# KiCad board raw.kicad_pcb (continued)
## Routing (per net, layer and track width the routed paths; a pad name or vN(x,y) marks a point on that pad's centre or on a via; arc(x,y) is an arc through that point) (continued)
  Bottom w0.203: v1(35.69,61.59) 35.7,61.61 v1(37.58,61.61)
  Bottom w0.508: v1(35.69,61.59) 37.59,61.59
/CONNECTOR/HOST_IRQ_DRIVE: length 1.6
  Top w0.203: R24.2 U7.4
/CONNECTOR/HOST_IRQ_LED: length 2.1
  Top w0.203: R24.1 55.88,2.33 D1.2
/CONNECTOR/PDATA0: length 53.3
  Top w0.152: v2(42.58,11.52) 42.58,11.54 41.87,12.25 J2.9 ; v1(10.89,26.9) 10.89,26.72 11.37,26.24 RP1.16
  Bottom w0.152: 10.94,26.98 10.94,27.4 11.79,28.25 40.3,28.25 45.73,22.82 45.73,14.67 v2(42.58,11.52)
/CONNECTOR/PDATA1: length 38
  Top w0.152: v1(11.74,27.24) 11.87,27.11 RP1.15 ; J2.1 33.98,10.25 19.48,24.75 19.28,24.75 19.28,24.75 v1(18.55,24.75)
  Bottom w0.152: 11.74,27.18 11.74,26.83 13.78,24.79 18.55,24.79 v1(18.55,24.75) ; 11.93,27.01 11.74,27.2 v1(11.74,27.24)
/CONNECTOR/PDATA2: length 49.6
  Top w0.152: RP1.14 12.37,26.55 v1(12.73,26.91) ; J2.11 42.27,12.75 v2(42.57,12.45)
  Bottom w0.152: v2(42.57,12.45) 45.4,15.28 45.4,22.69 40.15,27.94 13.24,27.94 12.73,27.43 v1(12.73,26.91)
/CONNECTOR/PDATA3: length 34.7
  Top w0.152: J2.3 33.91,10.75 19.32,25.35 13.26,25.35 12.87,25.74 RP1.13
/CONNECTOR/PDATA4: length 47
  Top w0.152: v2(42.29,13.41) 42.13,13.25 J2.13 ; RP1.12 13.37,26.92 v1(13.61,27.16)
  Bottom w0.152: 13.44,26.97 14.11,27.64 39.98,27.64 45.04,22.58 45.04,16.17 v2(42.29,13.41) ; 42.27,13.41 42.52,13.41
/CONNECTOR/PDATA5: length 33.5
  Top w0.152: RP1.11 13.87,25.74 13.95,25.65 19.44,25.65 33.85,11.25 J2.5
/CONNECTOR/PDATA6: length 44
  Top w0.152: RP1.10 14.37,26.77 v1(14.46,26.86) ; J2.15 41.73,13.75 42.25,14.27 v2(42.25,14.33)
  Bottom w0.152: 14.31,26.96 14.72,26.96 14.92,27.16 40.03,27.16 44.74,22.45 44.74,16.65 42.47,14.38 42.27,14.38 42.27,14.34 v2(42.25,14.33)
/CONNECTOR/PDATA7: length 32.2
  Top w0.152: RP1.9 15.17,26.14 15.35,25.97 19.56,25.97 33.78,11.75 J2.7
  Top w0.203: 40.93,11.81 J2.7
/CONNECTOR/PDATA8: length 37.3
  Top w0.152: RP2.16 22.26,21.54 37.83,5.97 44.38,5.97 48.21,9.8 48.21,10.58 48.04,10.75 J2.4
/CONNECTOR/PDATA9: length 38.4
  Top w0.152: J2.6 48.08,11.25 48.51,10.82 48.51,9.67 44.51,5.66 37.71,5.66 22.33,21.04 RP2.15
/CONNECTOR/PDATA10: length 39.6
  Top w0.152: J2.8 48.09,11.75 48.82,11.02 48.82,9.55 44.63,5.36 37.58,5.36 22.24,20.7 21.39,20.7 21.23,20.54 RP2.14
/CONNECTOR/PDATA11: length 35.9
  Top w0.152: J2.21 42.12,15.25 v2(42.14,15.28) ; v1(21.78,20.06) 21.76,20.04 RP2.13
  Bottom w0.152: 21.83,19.87 21.83,19.88 21.81,19.9 ; v2(42.14,15.28) 44.43,17.57 44.43,22.32 41.98,24.77 31.07,24.77 26.36,20.06 21.89,20.06 21.72,19.88
/CONNECTOR/PDATA12: length 40.3
  Top w0.152: J2.10 48.1,12.25 49.12,11.23 49.12,9.42 44.76,5.05 37.16,5.05 22.79,19.42 21.43,19.42 21.28,19.57 20.86,19.57 RP2.12
/CONNECTOR/PDATA13: length 34.8
  Top w0.152: RP2.11 22.1,19.04 v1(22.32,18.82) ; J2.25 42.12,16.25 v2(42.13,16.25)
  Bottom w0.152: 42.03,16.24 43.77,17.98 43.78,17.98 44.13,18.33 44.13,22.2 41.86,24.47 31.2,24.47 25.32,18.59 22.55,18.59 v1(22.32,18.82)
/CONNECTOR/PDATA14: length 41.1
  Top w0.152: RP2.10 21.61,18.54 22.08,18.07 23.71,18.07 37.03,4.75 44.88,4.75 49.43,9.29 49.43,11.38 48.06,12.75 J2.12
/CONNECTOR/PDATA15: length 33.3
  Top w0.152: v2(42.15,17.28) 42.12,17.25 J2.29 ; v1(21.52,17.78) 21.26,18.04 RP2.9
  Bottom w0.152: v2(42.15,17.28) 43.83,18.96 43.83,22.07 41.73,24.16 31.37,24.16 25.16,17.96 21.7,17.96 v1(21.52,17.78)
/CONNECTOR/PDATA16: length 41.2
  Top w0.152: RP3.16 22.25,16.06 22.46,16.27 25.08,16.27 36.9,4.44 45.01,4.44 49.73,9.17 49.73,11.76 48.19,13.31 47.65,13.31
/CONNECTOR/PDATA17: length 33.3
  Top w0.152: J2.33 42.12,18.25 v2(42.13,18.24) ; RP3.15 22.88,15.56 v1(22.99,15.67)
  Bottom w0.152: 42.06,18.19 43.52,19.65 43.52,21.94 41.6,23.86 31.5,23.86 23.3,15.66 22.1,15.66
/CONNECTOR/PDATA18: length 42.3
  Top w0.152: J2.16 48.18,13.75 50.04,11.89 50.04,9.04 45.14,4.14 36.78,4.14 26.15,14.77 22.68,14.77 22.3,15.15 21.32,15.15 21.23,15.06 RP3.14
/CONNECTOR/PDATA19: length 30.7
  Top w0.152: v1(21.84,14.56) 21.83,14.56 RP3.13 ; J2.37 42.12,19.25 v2(42.13,19.26)
  Bottom w0.152: 42.05,19.29 43.22,20.46 43.22,21.82 41.48,23.55 31.74,23.55 22.8,14.62 22.11,14.62
/CONNECTOR/PDATA20: length 43.3
  Top w0.152: J2.18 48.11,14.25 50.34,12.01 50.34,8.91 45.26,3.83 36.65,3.83 26.21,14.27 22.64,14.27 22.33,13.96 21.39,13.96 21.29,14.06 RP3.12
/CONNECTOR/PDATA21: length 29.7
  Top w0.152: RP3.11 23.17,13.56 v1(23.27,13.66) ; J2.41 42.12,20.25 v2(42.13,20.25)
  Bottom w0.152: 42.05,20.27 42.91,21.12 42.91,21.69 41.35,23.25 32.86,23.25 v1(23.27,13.66)
/CONNECTOR/PDATA22: length 43.9
  Top w0.152: RP3.10 26.99,13.06 36.53,3.53 45.39,3.53 50.65,8.79 50.65,12.14 48.04,14.75 J2.20
/CONNECTOR/PDATA23: length 27.1
  Top w0.152: v2(42.12,21.25) 42.12,21.25 J2.45 42,21.25 42,21.25 ; v1(21.83,12.46) 21.73,12.56 RP3.9
  Bottom w0.152: 22.3,12.51 27.96,12.51 36.7,21.25 42,21.25 ; 22.3,12.51 21.88,12.51 v1(21.83,12.46) ; 22.3,12.51 22.16,12.51
/CONNECTOR/PROJ_ON_DRIVE: length 1.6
  Top w0.203: R26.2 U9.4
/CONNECTOR/PROJ_ON_LED: length 2.1
  Top w0.203: D3.2 55.88,12.49 R26.1
/CONNECTOR/RESETZ: length 24.7
  Top w0.152: U8.2 50.94,7.62 v1(50.9,7.58) ; v1(42.93,10.56) 43.53,11.16 43.53,21.59 41.87,23.25 J2.53
  Bottom w0.152: 50.95,7.57 45.87,7.57 42.93,10.51 v1(42.93,10.56)
/CONNECTOR/RESETZ_DRIVE: length 1.6
  Top w0.152: R25.2 U8.4
/CONNECTOR/RESETZ_LED: length 2.1
  Top w0.203: D2.2 55.88,7.41 R25.1
/HDMI_INPUT/ADV_CVDD: length 21.3
  Top w0.152: U5.14 v2(14.86,12.54) 14.25,13.15 9.39,13.15 v2(8.86,12.62) 8.86,12.61 U5.2
  Bottom w0.152: C23.1 v2(14.86,12.54) ; v2(14.86,12.54) 14.86,12.54 14.86,10.58 ; v2(14.86,12.54) 14.86,12.64 ; FB3.2 10.43,6.15 9.68,6.91 9.68,9.68 8.86,10.5 C15.1 ; 8.86,12.62 v2(8.86,12.62) 8.86,10.51 ; 8.86,12.62 C21.1 ; 8.86,12.62 8.86,12.52 ; 14.86,10.5 C18.1
/HDMI_INPUT/ADV_DVDD: length 48.5
  Top w0.152: U5.24 16.82,17.03 v1(16.75,16.95) ; 5.5,15.51 6.39,15.51 U5.60 ; U5.40 v1(12.36,21.98) ; U5.52 5.49,19.53 v2(5.38,19.64)
  In2.Cu w0.254: 5.5,15.51 4.75,16.26 4.75,18.43 5.51,19.2 5.51,19.61 8.46,22.55 11.79,22.55 v1(12.36,21.98) 12.93,22.55 16.61,22.55 17.45,21.72 17.45,17.66 v1(16.75,16.95)
  Bottom w0.152: C25.1 5.49,15.53 v2(5.38,15.42) 5.25,15.54 4.31,15.54 C16.1 ; 19.59,16.78 18.56,16.78 ; 15.92,16.78 15.93,16.78 16.57,16.78 v1(16.75,16.95) 16.92,16.78 C24.1 ; 12.36,22.05 12.36,21.95 ; 12.36,22.05 C22.1 ; 12.36,22.05 12.36,21.13 C27.1 ; C19.1 4.32,19.51 5.25,19.51 v2(5.38,19.64) ; 5.38,15.53 5.34,15.53 ; 5.46,19.61 5.51,19.61 5.59,19.53 C26.1 5.38,19.53 5.46,19.61
  Bottom w0.508: 5.51,19.61 4.5,20.62 FB4.2
/HDMI_INPUT/ADV_DVDDIO: length 32.5
  Top w0.152: U5.44 v1(10.36,21.91) ; U5.34 v1(15.36,21.91) ; v1(16.69,15.59) 17.08,15.98 17.08,16.34 17.27,16.53 U5.23
  In2.Cu w0.254: v1(16.69,15.59) 16.05,16.22 16.05,21.29 15.36,21.98 13.93,21.98 13.27,21.32 11.02,21.32 10.36,21.98
  Bottom w0.152: C5.1 16.68,15.58 v1(16.69,15.59) 16.8,15.48 C11.1 ; FB1.2 21.09,24.07 15.51,24.07 C1.1 C7.1 ; 10.36,24.41 C9.1 ; 10.38,24.39 10.36,24.41
/HDMI_INPUT/ADV_PVDD: length 12.7
  Top w0.152: U5.57 5.55,17.03 v2(5.44,17.14)
  Bottom w0.152: C20.1 5.39,17.03 ; C17.1 4.31,17.02 5.31,17.02 v2(5.44,17.14)
  Bottom w0.508: 5.5,17.05 4.63,17.92 2.93,17.92 1.98,18.87 FB5.2
/HDMI_INPUT/ADV_TVDD: length 21.8
  Top w0.152: U5.11 v2(13.36,12.53) ; v2(11.87,12.54) 11.86,12.53 U5.8 ; U5.5 v2(10.36,12.54)
  Bottom w0.152: 12.64,7.06 12.64,7.18 ; 12.64,7.18 12.64,4.49 12.71,4.42 ; 12.64,7.18 12.64,9.78 ; C2.1 C4.1 11.87,10.5 12.59,9.78 12.64,9.78 ; 12.64,9.78 13.36,10.5 C6.1 ; 10.36,10.49 10.36,12.45 10.36,12.46 ; C12.1 v2(13.36,12.53) 13.36,12.34 13.38,12.33 13.38,10.53 ; 10.36,12.46 v2(10.36,12.54) ; 10.36,12.46 C8.1 ; v2(11.87,12.54) C10.1 11.87,10.53 11.86,10.53
/HDMI_INPUT/ADV_VDD1V8: length 72.9
  Top w0.381: U4.1 16.89,55.05 v1(16.88,55.06)
  In2.Cu w0.381: v2(8.6,2.81) 8.62,2.79
  In2.Cu w0.508: v1(3.33,26.16) 16.89,39.72 16.89,54.99 ; v2(8.6,2.81) 3.42,2.81 1.02,5.21 1.02,23.88 3.3,26.16
  Bottom w0.381: 4.5,24.68 4.5,24.71 ; 1.96,24.58 1.96,24.6
  Bottom w0.508: FB3.1 8.65,2.86 v2(8.6,2.81) ; FB5.1 1.98,24.81 v1(3.33,26.16) 4.5,24.99 FB4.1
/HDMI_INPUT/ADV_VDD3V3: length 31.4
  In2.Cu w0.508: 24.47,22.93 24.47,11.29 16.08,2.9 v2(14.12,2.9)
  Bottom w0.508: R1.1 22.65,24.13 FB1.1 ; v2(14.12,2.9) 12.64,2.9 FB2.1 ; FB1.1 22.9,24.12 ; FB1.1 22.66,24.12 23.85,22.93 24.47,22.93 v1(24.49,22.91)
/HDMI_INPUT/B0: length 2.1
  Top w0.152: RP1.1 11.37,24.17 10.86,23.66 U5.43
/HDMI_INPUT/B1: length 2.1
  Top w0.152: U5.42 11.36,23.7 11.87,24.21 RP1.2
/HDMI_INPUT/B2: length 2.1
  Top w0.152: U5.41 11.86,23.65 12.37,24.15 RP1.3
/HDMI_INPUT/B3: length 1.9
  Top w0.152: RP1.4 12.87,22.99 U5.39
/HDMI_INPUT/B4: length 1.9
  Top w0.152: U5.38 13.37,22.99 RP1.5
/HDMI_INPUT/B5: length 1.9
  Top w0.152: U5.37 13.86,24.83 RP1.6
/HDMI_INPUT/B6: length 1.9
  Top w0.152: U5.36 14.37,22.99 RP1.7
/HDMI_INPUT/B7: length 1.9
  Top w0.152: U5.35 14.86,24.83 RP1.8
/HDMI_INPUT/G0: length 4.5
  Top w0.152: U5.33 15.86,22.61 16.93,21.54 RP2.1
/HDMI_INPUT/G1: length 1.7
  Top w0.152: RP2.2 17.82,21.04 U5.32
/HDMI_INPUT/G2: length 1.7
  Top w0.152: U5.31 19.52,20.53 RP2.3
/HDMI_INPUT/G3: length 1.7
  Top w0.152: RP2.4 17.82,20.04 U5.30
/HDMI_INPUT/G4: length 1.7
  Top w0.152: RP2.5 19.52,19.53 U5.29
/HDMI_INPUT/G5: length 1.7
  Top w0.152: U5.28 18.06,19.03 18.07,19.04 RP2.6
/HDMI_INPUT/G6: length 1.7
  Top w0.152: U5.27 19.52,18.53 RP2.7
/HDMI_INPUT/G7: length 1.7
  Top w0.152: U5.26 17.82,18.04 RP2.8
/HDMI_INPUT/HDMI_CEC: length 12.9
  Top w0.152: 6.41,15.03 U5.61 7.27,15.03 v2(7.87,14.43) ; J1.13 8.62,5.43 8.54,5.35
  Bottom w0.152: v2(7.87,14.43) 7.87,13.89 8.08,13.68 8.08,5.88 v2(8.57,5.39)
/HDMI_INPUT/HDMI_CLK_N: length 4.8
  Top w0.152: J1.12 9.12,8.17 9.43,8.48 9.43,9.97 9.36,10.04 ; U5.3 9.36,11.58 U2.5 U2.6
/HDMI_INPUT/HDMI_CLK_P: length 4.7
  Top w0.152: J1.10 10.15,7.19 10.15,8.09 9.77,8.47 9.77,9.46 9.88,9.57 9.88,9.75 U2.7 ; U2.7 9.87,9.76 ; U2.7 U2.4 9.86,11.58 U5.4
/HDMI_INPUT/HDMI_HPA: length 4.5
  Top w0.152: v1(5.33,5.43) 5.58,5.68 5.58,7.12 J1.19
  Bottom w0.152: R10.1 5.2,5.54 5.33,5.41 v1(5.33,5.43) 4.86,4.95 R5.2
/HDMI_INPUT/HDMI_PWR: length 3.9
  Top w0.152: R2.1 6.06,13.18 U5.64
/HDMI_INPUT/HDMI_PWR_5V: length 1.8
  Top w0.152: R2.2 6.12,8.86 J1.18
/HDMI_INPUT/HDMI_RX0_N: length 6.4
  Top w0.152: U2.9 U2.2 10.86,11.58 U5.6 10.87,11.57 10.87,9.58 10.97,9.48 10.97,8.49 10.62,8.14 J1.9
/HDMI_INPUT/HDMI_RX0_P: length 6.5
  Top w0.152: 11.36,9.64 U2.10 U2.1 11.36,11.58 U5.7 11.3,11.52 11.3,8.49 11.62,8.17 J1.7
/HDMI_INPUT/HDMI_RX1_N: length 7.1
  Top w0.152: J1.6 12.13,7.17 12.13,8.17 12.43,8.47 12.43,11.51 U5.9 U1.6 U1.5
/HDMI_INPUT/HDMI_RX1_P: length 5.6
  Top w0.152: U1.7 U1.4 U5.10 ; U1.7 12.81,9.74 ; U1.7 12.87,9.78 12.87,9.52 12.77,9.42 12.77,8.47 13.12,8.12 J1.4 13.12,8.05 ; 12.82,10.45 12.86,10.49
/HDMI_INPUT/HDMI_RX2_N: length 4.8
  Top w0.152: U1.9 U1.2 U5.12 ; U1.9 13.86,9.57 13.98,9.45 13.98,8.49 13.62,8.14 J1.3 ; U1.9 13.85,9.78 13.85,9.64
/HDMI_INPUT/HDMI_RX2_P: length 5.3
  Top w0.152: U1.10 14.36,9.66 14.31,9.61 14.31,8.49 14.62,8.18 J1.1 ; U1.10 U1.1 ; U1.10 U5.13
/HDMI_INPUT/HDMI_SCL: length 6.9
  Top w0.152: J1.15 7.58,7.12 v1(7.58,5.43)
  Bottom w0.152: R3.2 7.58,4.26 v1(7.58,5.43) 7.58,8.51 7.35,8.75 R9.2
/HDMI_INPUT/HDMI_SDA: length 7.8
  Top w0.152: J1.16 7.12,5.97 v1(6.58,5.43)
  Bottom w0.152: R4.2 6.25,5.09 v1(6.58,5.43) 7.09,5.94 7.09,7.43 5.84,8.68 R8.2
/HDMI_INPUT/R0: length 1.7
  Top w0.152: RP3.1 17.84,16.06 U5.22
/HDMI_INPUT/R1: length 1.7
  Top w0.152: RP3.2 19.5,15.53 U5.21
/HDMI_INPUT/R2: length 1.7
  Top w0.152: RP3.3 17.84,15.06 U5.20
/HDMI_INPUT/R3: length 1.7
  Top w0.152: U5.19 19.5,14.53 RP3.4
/HDMI_INPUT/R4: length 1.7
  Top w0.152: U5.18 17.84,14.06 RP3.5
/HDMI_INPUT/R5: length 1.7
  Top w0.152: RP3.6 19.5,13.53 U5.17
/HDMI_INPUT/R6: length 4.3
  Top w0.152: RP3.7 17.84,13.06 16.36,11.58 U5.16
/HDMI_INPUT/R7: length 5.6
  Top w0.152: U5.15 15.36,10.93 15.52,10.77 16.1,10.77 17.9,12.56 RP3.8
/MSP430/DEBUG1: length 32.9
  Top w0.152: U6.15 34.54,39.99 42.58,31.96 42.58,31.33 51.07,22.85 51.07,18.05 51.33,17.78 U12.2
/MSP430/DEBUG1_DRIVE: length 1.6
  Top w0.203: U12.4 R31.2
/MSP430/DEBUG1_LED: length 2.1
  Top w0.203: R31.1 55.88,17.57 D5.2
/MSP430/DEBUG2: length 28.4
  Top w0.152: 51.73,22.86 U13.2 51.8,22.85 51.56,22.85 42.89,31.52 42.89,32.36 34.75,40.49 U6.16
/MSP430/DEBUG2_DRIVE: length 1.6
  Top w0.203: U13.4 R34.2
/MSP430/DEBUG2_LED: length 2.1
  Top w0.203: D6.2 55.88,22.65 R34.1
/MSP430/MSP_VDD3V3: length 70.2
  Top w0.152: 24.55,47.19 R23.1 24.55,47.54 24.91,47.9 26.73,47.9 27.04,47.59 R21.1 27.08,47.1 R22.1 26.47,45.72 v1(26.23,45.96) ; v1(42.68,47.61) 42.73,47.56 R12.1 ; R17.1 33.06,46.43 32.96,46.33 R19.1 32.61,45.73 v1(32.78,45.56) ; C31.1 C30.1 23.66,37.85 v1(24.36,37.16) 21.41,37.16 20.57,36.32 R15.1 R16.1 ; C29.1 32.98,38.82 32.76,38.6 32.76,38.59 v1(32.53,38.36) ; R20.1 R18.1 ; R20.1 30.63,34.26 v1(31.43,33.46) ; R20.1 30.73,34.3
  Top w0.203: C30.1 24.19,38.49 U6.39 ; C31.1 23.79,38.99 U6.38 ; U6.14 31.33,39.5 C29.1
  Top w0.381: 35.06,43.08 R11.1 33.75,43.13 v1(33.73,43.11)
  In2.Cu w0.152: 27.57,44.96 26.88,44.96 26.26,45.58 26.26,45.97 ; 32.37,44.69 32.37,44.83 32.77,45.22 32.77,45.62 ; 32.51,38.43 32.48,38.4 32.48,38.32 32.49,38.33 32.45,38.29
  In2.Cu w0.381: v1(24.36,37.16) 24.36,43.26 26.06,44.96 32.11,44.96 33.73,43.33 33.73,39.57 32.48,38.32 ; 32.45,38.29 32.45,34.53 31.45,33.53
  Bottom w0.152: 42.64,47.58 38.14,43.08 33.73,43.08
/MSP430/PB_DOWN: length 9.3
  Top w0.152: P3.2 29.62,48.77 31.8,46.58 31.8,42.07 31.73,41.99 U6.19
/MSP430/PB_LEFT: length 12.4
  Top w0.152: U6.20 31.32,45.54 27.08,49.78 P3.3 27.43,49.58 27.43,49.43 27.94,48.92 R21.2
/MSP430/PB_RIGHT: length 9.9
  Top w0.152: U6.21 30.57,43.65 28.5,45.72 R22.2 27.98,45.93 27.48,46.43 27.48,47.6 26.39,48.69 25.63,48.69 24.54,49.78 P3.4
/MSP430/PB_SELECT: length 15.6
  Top w0.152: P3.5 22,48.59 24.15,46.44 ; 24.15,46.44 25.97,44.62 29.01,44.62 30.07,43.56 U6.22 ; 24.15,46.44 25.45,45.14 R23.2
/MSP430/PB_UP: length 11.2
  Top w0.152: U6.18 31.73,41.49 32.16,41.92 P3.1 32.16,49.93 R17.2
/MSP430/POWER_ON: length 24.3
  Top w0.152: C32.1 44.25,43.19 45.34,42.1 45.34,38.04 SW1.2 39.93,40.99 U6.17
/MSP430/TCK: length 19.3
  Top w0.152: U6.33 7.23,41.49 P1.7
/MSP430/TDI: length 20.3
  Top w0.152: P1.3 7.25,38.11 11.11,38.11 13.49,40.49 U6.35
/MSP430/TDO: length 21.1
  Top w0.152: U6.36 13.42,39.99 8.14,34.71 P1.1
/MSP430/TEST: length 31.8
  Top w0.152: U6.37 24.92,39.49 24.82,39.59 18.92,39.59 12.94,33.62 5.34,33.62 4.94,34.02 4.94,41.24 P1.8
/MSP430/TMS: length 19.4
  Top w0.152: U6.34 7.6,40.99 P1.5
ADV_1V8_EN: length 13.4
  Top w0.152: U4.4 20.91,50.55 20.9,50.54 20.9,49.33 20.91,49.32 20.91,49.14 25.74,44.31 26.91,44.31 27.57,43.65 U6.27
DATEN_CMD: length 41.7
  Top w0.152: U5.45 9.88,23 9.88,23.5 9.26,24.12 9.26,26.33 10.86,27.94 18.02,27.94 31.71,14.25 J2.17
HDMI_INT1: length 37
  Top w0.152: v1(14.2,30.17) 11.8,30.17 7.45,25.82 7.45,23.79 7.7,23.54 7.7,18.67 7.06,18.03 U5.55 ; U6.7 29.07,35.17 v1(29.38,34.86)
  Bottom w0.152: 29.39,34.84 24.73,30.18 14.2,30.18
HOST_IRQ: length 50
  Top w0.152: J2.35 39.89,18.75 v1(39.86,18.78) 37.86,18.78 35.41,21.23 35.41,33.73 33.07,36.07 33.27,36.07 ; U6.9 30.07,36.37 30.23,36.21 30.13,36.21 v1(30.08,36.26) ; v1(50.62,2.62) 50.7,2.54 U7.2
  Bottom w0.152: 50.67,2.58 50.3,2.95 ; 50.3,2.95 49.69,2.95 39.78,12.86 39.78,18.75 ; 50.3,2.95 50.3,2.94 v1(50.62,2.62) ; v1(33.16,36.05) 32.95,36.26 v1(30.08,36.26) ; 30.37,36.07 30.23,36.21
HSYNC_CS: length 42.1
  Top w0.152: 40.12,16.75 J2.27 29.64,16.75 18.14,28.24 10.73,28.24 8.95,26.46 8.95,24 9.36,23.59 U5.46
MSP_I2C_SCL: length 44.2
  Top w0.152: U6.11 31.32,35.9 32.03,35.2 ; 32.03,35.2 32.03,35.05 ; 32.03,35.2 R18.2 32.23,35.2 32.79,34.64 32.79,33.43 30.33,30.96 11.13,30.96 4.67,24.51 4.67,19.41 5.05,19.03 U5.53
MSP_I2C_SDA: length 41.2
  Top w0.152: U6.10 30.57,37.14 30.88,36.84 30.88,35.79 30.63,35.55 R20.2 30.63,35.15 26.9,31.42 11,31.42 3.99,24.41 3.99,19.38 4.83,18.54 5.75,18.54 5.76,18.53 U5.54
PCLK: length 28.8
  Top w0.152: J2.19 31.94,14.75 30.7,16 ; v1(18.9,17.45) 18.81,17.53 U5.25 17.88,17.47
  Bottom w0.152: v1(30.7,16.15) 30.4,15.86 30.34,15.86 27.54,13.06 21.17,13.06 20.12,14.11 20.12,17.21 19.87,17.47 18.9,17.47
PROJ_ON: length 36.7
  Top w0.152: v1(49.56,18.66) 49.49,18.66 49.49,14.44 51.26,12.67 51.79,12.67 U9.2 ; 48.3,18.73 48.28,18.75 J2.36 46.29,18.75 44.77,20.27 44.77,23.1 43.53,24.34 43.53,26.52 33.22,36.83 33.22,36.83 31.55,38.49 U6.12
  Bottom w0.152: v1(49.56,18.66) 48.37,18.66 v1(48.29,18.74)
RESET: length 29.3
  Top w0.152: U6.5 28.07,36.84 27.3,36.07 v1(26.01,36.07) 24.99,36.07 24.43,35.51 R14.2
  Bottom w0.152: P1.11 17.73,36.07 v1(26.01,36.07)
RESET_ADV7611: length 37.9
  Top w0.152: 28.57,37.46 28.57,35.44 v1(28.19,35.05) 28.04,35.2 R7.2 ; U5.56 7.06,17.53 8.01,18.48 8.01,23.66 7.76,23.91 7.76,25.7 11.47,29.41 v1(12.6,29.41)
  Bottom w0.152: v1(28.19,35.05) 18.24,35.05 v1(12.6,29.41)
SPI0_CLK: length 28.7
  Top w0.152: 40.08,1.59 P2.4 40.08,1.89 41.41,3.23 45.52,3.23 50.95,8.66 50.95,12.38 48.96,14.38 48.96,20.33 48.04,21.25 J2.46
SPI0_CSZ0: length 25.6
  Top w0.152: 39.45,22.75 39.37,22.75 39.36,22.74 39.25,22.74 v1(37.08,20.57) ; 39.45,22.75 J2.51 ; 39.45,22.75 39.44,22.74
  Bottom w0.152: v1(37.08,20.57) 32.51,16 32.51,1.79 P2.1
SPI0_MISO: length 22
  Top w0.152: J2.47 40.12,21.75 40.12,21.58 v1(39.12,20.57)
  Bottom w0.152: P2.3 37.54,18.74 39.12,20.32 v1(39.12,20.57)
SPI0_MOSI: length 24
  Top w0.152: v1(38.1,20.57) 38.1,21.08 39.27,22.25 J2.49
  Bottom w0.152: v1(38.1,20.57) 38.1,20.32 35,17.22 P2.2
SYSPWR: length 108.4
  Top w0.152: 48.79,24.3 v2(48.78,24.28) ; J3.1 46.76,50.92
  Top w0.203: v1(38.88,25.56) 38.88,25.11 39.65,24.34 ; 39.65,24.28 39.68,24.31 39.68,24.31 40.12,24.75 J2.59 ; 39.65,24.28 39.67,24.26 40.98,24.26 J2.57 ; 39.65,24.28 39.73,24.2 39.73,24.16 40.13,23.76 40.98,23.76 J2.55 ; J2.58 47.21,24.3 48.79,24.3 ; 48.79,24.3 48.25,23.75 47.57,23.75 47.57,23.75 J2.56 ; 48.79,24.3 48.51,24.57 48.51,24.59 48.35,24.75 J2.60 ; R28.2 47.03,57.23 45.94,56.14 C37.1 ; v1(34.28,59.66) 34.57,59.95 U11.2
  Top w0.254: 28.56,59.3 C38.1 ; 24,59.69 24.26,59.95 U10.2
  Top w0.508: C38.1 27.52,58.95 U10.4 U10.5 ; U11.4 U11.5
  Top w0.762: R27.1 42.43,58.67 ; R27.1 42.6,59.91 39.81,62.71 32.78,62.71 v1(30.18,60.11) 29.02,58.95 C38.1 29.04,58.95 ; R27.1 44.58,56.52 C37.1 44.65,56.07 C36.1 48.82,49.39 J3.1 ; 42.43,58.67 37.95,58.67 U11.4 ; 42.43,58.67 39.35,58.67 C39.1
  In2.Cu w0.762: v1(38.88,25.56) 40.16,24.28 v2(48.78,24.28) ; 48.79,24.3 48.82,24.32 J3.1
  Bottom w0.203: v1(37.83,58.76) 36.68,59.91 36.68,59.94
  Bottom w0.254: 30.19,60.11 24.38,60.11 v1(23.98,59.71) ; 34.29,59.69 34.54,59.94 36.68,59.94
VSYNC_WE: length 58.2
  Top w0.152: 47.14,10.22 J2.2 46.18,10.25 v1(46.09,10.16) ; v1(8.35,24.2) 8.35,24.14 8.86,23.63 U5.47
  Bottom w0.152: v1(8.35,24.2) 8.35,25.98 10.92,28.55 40.44,28.55 46.09,22.91 46.09,10.22
Net-(C13-Pad1): length 7.5
  Top w0.152: U5.58 2.23,16.53 1.88,16.87 1.88,16.88 U3.1 1.12,17.71 1.12,19.32
Net-(C14-Pad1): length 6.9
  Top w0.152: U5.59 4.49,16.03 3.47,15.02 U3.3 2.99,13.13 C14.1
Net-(D4-Pad1): length 1.4
  Top w0.203: D4.1 47.03,60.53 R28.1
Net-(J3-Pad2): length 18.5
  Top w0.203: J3.2 56.72,50.51 56.72,51.57 49.79,58.5 R27.2
Net-(L1-Pad1): length 2.1
  Top w0.762: 25.07,60.64 24.93,60.64 24.63,60.93 L1.1
Net-(L2-Pad1): length 2.1
  Top w0.762: 35.23,60.64 35.09,60.64 34.79,60.93 L2.1
Net-(R6-Pad1): length 2
  Top w0.508: R6.1 20.97,54.99 U4.5
Net-(R8-Pad1): length 5.4
  Top w0.152: v2(5.17,13.67) 5.53,14.03 5.55,14.03 ; U5.63 5.55,14.03 ; 5.55,14.03 5.51,14
  Bottom w0.152: R8.1 5.84,13.11 5.23,13.72
Net-(R9-Pad1): length 9.2
  Top w0.152: v2(4.72,14.48) 6.36,14.48 U5.62
  Top w0.203: U5.62 4.83,14.53 4.72,14.43
  Bottom w0.152: v2(4.72,14.48) 4.78,14.43 5.27,14.43 7.31,12.39 7.31,10.05
Net-(R10-Pad2): length 6.9
  Top w0.152: v2(4.37,8.08) 5.65,9.36 5.65,9.38 6.53,9.38 7.12,9.97 7.12,10.62 8.08,11.58 U5.1
  Bottom w0.152: R10.2 4.74,8.09 4.36,8.09
Net-(R12-Pad2): length 5.1
  Top w0.152: 42.72,45.73 42.72,42.9 SW1.3
  Top w0.254: 44.31,41.7 SW1.3
Net-(R13-Pad1): length 14.3
  Top w0.152: R13.1 45.87,33.87 SW1.1
Net-(R29-Pad1): length 7.7
  Top w0.381: R29.1 29.15,54.87 R32.2 27.12,55.07 26.42,55.78 26.42,57.35 25.07,58.7 U10.3
Net-(R30-Pad1): length 8
  Top w0.254: R30.1 37.55,55.14 R33.2 36.78,54.87 36.58,55.07 36.58,57.66 36.47,57.66 35.23,58.9 U11.3

## Copper pours and planes (outline as drawn; the poured copper is in the pictures)
GND on Top: 58.4,50.9 58.38,63.46 -0.01,63.43 0.02,55.61 0.01,50.79
GND on Top: 9.63,19.76 14.61,19.76 14.61,14.78 9.63,14.78
GND on Bottom: 16.65,20.64 16.37,14.01 8.02,13.94 7.99,20.63
GND on In1.Cu: 0.14,63.37 0.03,0.06 58.39,0.05 58.38,63.48

Small or netless copper shapes (teardrops, artwork), in the pictures only: 1 on Bottom

## Text on the board
F.SilkS: 1.8V | 3.3V | DB2 | DB1 | PRJON | RST | IRQ | SPI BREAKOUT | DLP3010 MAINBOARD | HDMI TO RGB | MAY 1607 | N. BERGMAN
